# KiCad board mechanical-keyboard.kicad_pcb (continued)
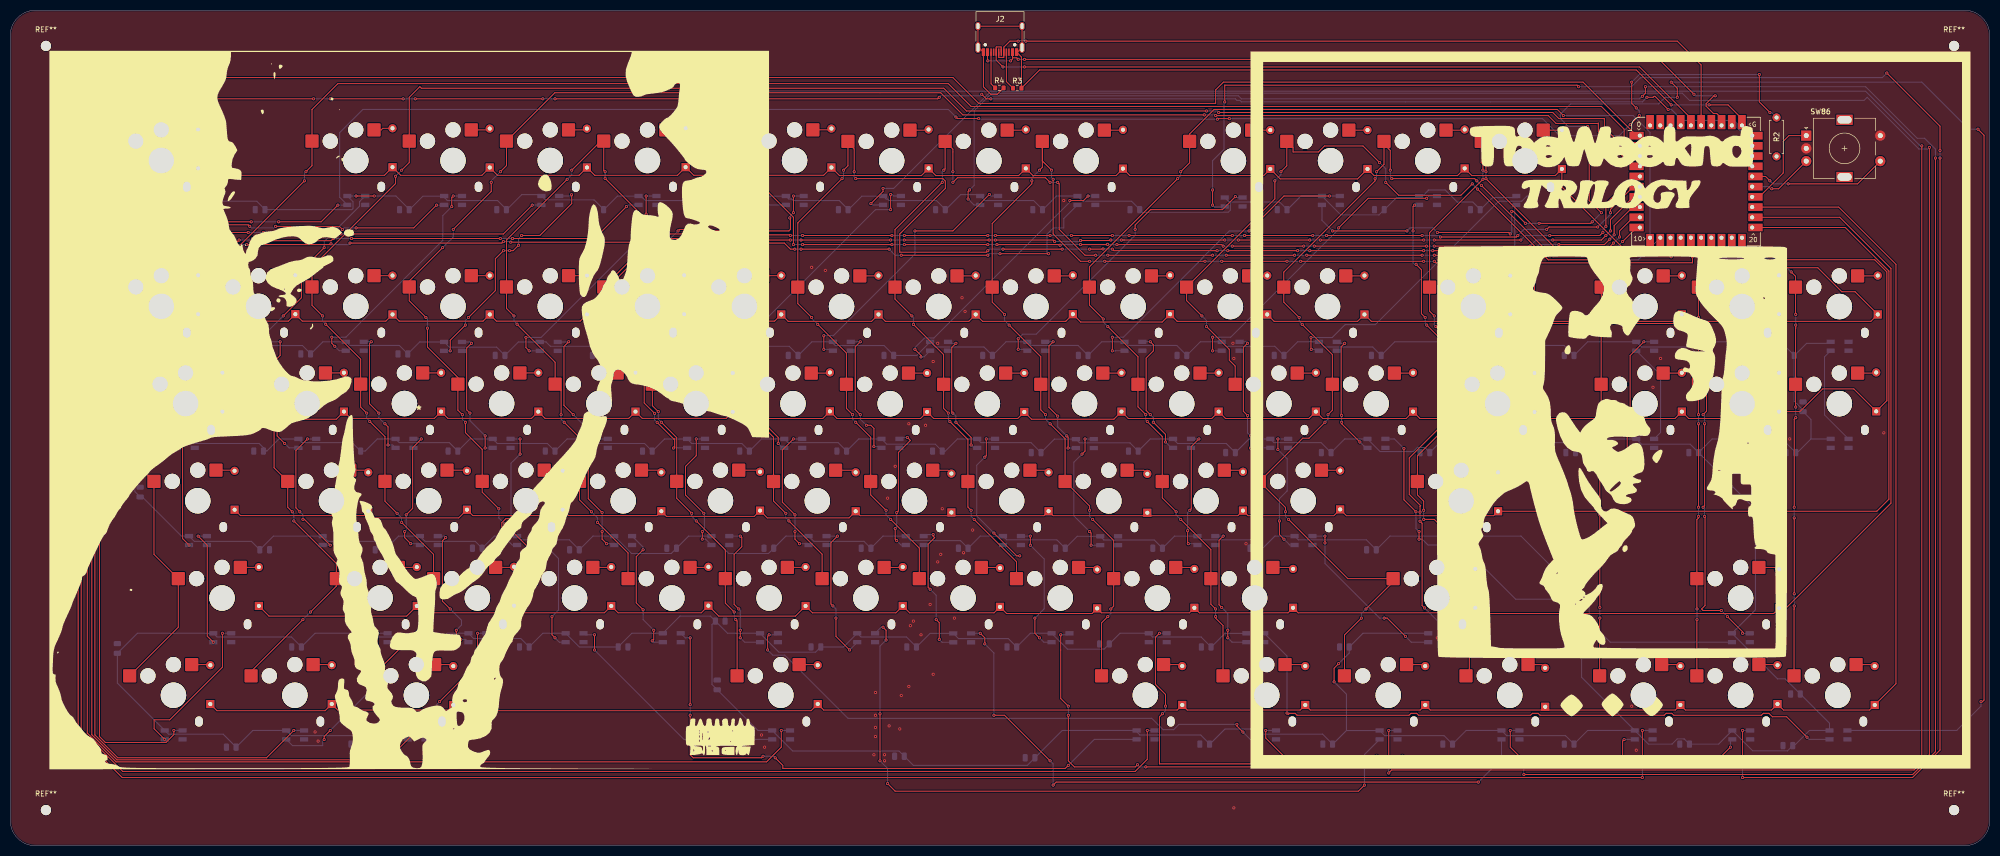
[diagram p0: board, top side]
## Routing (per net, layer and track width the routed paths; a pad name or vN(x,y) marks a point on that pad's centre or on a via; arc(x,y) is an arc through that point) (continued)
Col 6: length 294.1
  Top w0.2: v1(214.97,117.84) 214.93,117.8 v1(209.66,117.8) ; v1(277.45,117.5) v1(255.48,117.5) ; SW39.1 159.05,57.14 v1(152.54,63.65) ; v1(151.95,65.14) 149.53,67.56 SW38.1 149.53,80.05 v1(146.59,82.99) ; v1(146,130.59) 153.44,123.16 v1(153.44,117.8) ; v1(146,132.08) 146,132.38 145.08,133.29 SW35.1 140.05,133.05 v1(140.05,131.98) ; v1(138.56,102.2) 144.77,95.99 SW37.1 144.77,85.7 v1(146,84.48) ; v1(302.19,118.69) 311.7,118.69 v1(312.6,119.59) ; v1(297.72,117.5) v1(278.98,117.5) ; v1(140.05,130) 135.25,125.2 SW36.1 135.25,106.23 v1(137.97,103.52) ; U2.7 317.95,127.15 313.49,122.69 v1(313.49,120.48) ; v1(253.4,117.5) v1(239.41,117.5) ; v1(193.3,117.8) 205.54,117.8 v1(205.67,117.67) ; v1(172.73,117.8) v1(155.22,117.8) ; v1(191.52,117.8) v1(175.15,117.8) ; v1(237.63,117.5) 237.33,117.8 v1(216.8,117.8)
  Bottom w0.2: v1(137.97,103.52) 137.97,102.8 v1(138.56,102.2) ; v1(255.48,117.5) v1(253.4,117.5) ; v1(216.8,117.8) 215.02,117.8 v1(214.97,117.84) ; v1(146.59,82.99) 146,83.59 v1(146,84.48) ; v1(152.54,63.65) 151.95,64.25 v1(151.95,65.14) ; v1(205.67,117.67) 205.8,117.8 v1(209.66,117.8) ; v1(146,130.59) v1(146,132.08) ; v1(302.19,118.69) 298.91,118.69 v1(297.72,117.5) ; v1(313.49,120.48) v1(312.6,119.59) ; v1(239.41,117.5) v1(237.63,117.5) ; v1(155.22,117.8) v1(153.44,117.8) ; v1(175.15,117.8) v1(172.73,117.8) ; v1(278.98,117.5) v1(277.45,117.5) ; v1(193.3,117.8) v1(191.52,117.8) ; v1(140.05,131.98) v1(140.05,130)
Col 7: length 292.9
  Top w0.2: v1(162.96,130.72) 154.29,122.06 SW41.1 154.29,106.24 v1(157,103.52) ; v1(314.21,119.71) 314.21,121.51 317.85,125.15 U2.8 ; v1(191.52,116.61) 191.22,116.31 174.26,116.31 174.26,119.88 183.19,128.81 183.19,130.25 182.71,130.72 v1(165.63,130.72) ; v1(165.04,84.48) 163.81,85.7 SW42.1 163.81,96.54 v1(158.19,102.16) ; v1(194.49,116.91) v1(206.09,116.91) ; v1(215.91,116.91) 216.21,116.61 v1(236.44,116.61) ; v1(214.08,116.95) 214.04,116.91 v1(211.45,116.91) ; v1(278.68,116.61) v1(298.32,116.61) ; v1(313.36,118.86) 312.3,117.8 v1(303.38,117.8) ; SW44.1 178.09,58.33 v1(172.47,63.95) ; v1(165.34,132.08) 165.34,136.54 164.11,137.77 SW40.1 164.11,133.24 v1(163.25,132.38) ; v1(165.63,82.99) 168.57,80.06 SW43.1 168.57,68.75 v1(171.58,65.74) ; v1(238.52,116.61) v1(252.21,116.61) ; v1(254.59,116.61) v1(276.9,116.61)
  Bottom w0.2: v1(171.58,65.74) 171.58,64.84 v1(172.47,63.95) ; v1(303.38,117.8) 299.51,117.8 v1(298.32,116.61) ; v1(158.19,102.16) 157,103.35 v1(157,103.52) ; v1(165.63,130.72) 165.34,131.02 v1(165.34,132.08) ; v1(276.9,116.61) v1(278.68,116.61) ; v1(162.96,130.72) 163.25,131.02 v1(163.25,132.38) ; v1(214.08,116.95) 215.87,116.95 v1(215.91,116.91) ; v1(252.21,116.61) v1(254.59,116.61) ; v1(236.44,116.61) v1(238.52,116.61) ; v1(313.36,118.86) v1(314.21,119.71) ; v1(194.49,116.91) 191.81,116.91 v1(191.52,116.61) ; v1(206.09,116.91) v1(211.45,116.91) ; v1(165.63,82.99) 165.04,83.59 v1(165.04,84.48)
Col 8: length 258.5
  Top w0.2: U2.9 317.95,123.15 315.27,120.48 v1(315.27,119.29) ; v1(176.94,102.16) 182.85,96.25 SW47.1 182.85,85.71 v1(183.78,84.78) ; v1(253.99,115.72) v1(276.6,115.72) ; v1(215.02,115.72) v1(235.54,115.72) ; v1(184.67,132.08) 184.67,136.5 SW45.1 183.15,132.64 v1(182.89,132.38) ; v1(304.27,116.91) 312.89,116.91 v1(314.08,118.1) ; v1(176.64,103.82) 173.33,107.13 SW46.1 173.33,120.74 v1(182.59,130) ; v1(203.71,130) 202.81,130.9 185.57,130.9 v1(184.67,130) ; v1(212.64,115.72) 210.56,115.72 205.5,120.78 205.5,129.7 v1(205.2,130) ; v1(238.22,115.72) v1(251.61,115.72) ; v1(188.24,65.74) 187.61,66.37 SW48.1 187.61,79.59 v1(184.08,83.12) ; SW49.1 197.13,55.66 v1(188.84,63.95) ; v1(278.98,115.72) v1(299.21,115.72)
  Bottom w0.2: v1(251.61,115.72) v1(253.99,115.72) ; v1(184.67,132.08) v1(184.67,130) ; v1(304.27,116.91) 300.4,116.91 v1(299.21,115.72) ; v1(176.94,102.16) 176.94,103.52 v1(176.64,103.82) ; v1(212.64,115.72) v1(215.02,115.72) ; v1(188.24,65.74) 188.24,64.55 v1(188.84,63.95) ; v1(182.59,130) 182.59,132.08 v1(182.89,132.38) ; v1(203.71,130) 203.71,129.99 205.19,129.99 v1(205.2,130) ; v1(276.6,115.72) v1(278.98,115.72) ; v1(314.08,118.1) v1(315.27,119.29) ; v1(235.54,115.72) v1(238.22,115.72) ; v1(184.08,83.12) 183.78,83.42 v1(183.78,84.78)
Col 9: length 258.7
  Top w0.2: v1(211.45,65.74) 211.45,66.59 SW53.1 206.65,79.76 v1(203.71,82.7) ; v1(215.02,44.91) 213.79,43.69 SW55.1 ; v1(212.04,63.95) 216.17,59.83 SW54.1 216.17,46.96 v1(215.61,46.4) ; v1(214.42,114.53) v1(234.06,114.53) ; v1(194.79,104.12) 192.37,106.53 SW51.1 192.37,121.93 200.14,129.7 v1(200.14,130.3) ; v1(237.33,114.53) v1(250.12,114.53) ; v1(204.01,132.38) 202.19,134.2 SW50.1 202.19,132.94 v1(201.63,132.38) ; v1(252.8,114.53) v1(276.9,114.53) ; U2.10 318.6,121.13 v1(315.87,118.4) ; v1(204.31,130.59) 204.31,119.88 209.66,114.53 v1(211.45,114.53) ; v1(278.98,114.53) 279.3,114.21 v1(312.6,114.21) ; v1(195.68,102.03) 201.89,95.82 SW52.1 201.89,85.41 v1(202.82,84.48)
  Bottom w0.2: v1(203.71,82.7) 202.82,83.59 v1(202.82,84.48) ; v1(211.45,65.74) 211.45,64.55 v1(212.04,63.95) ; v1(195.68,102.03) 194.79,102.93 v1(194.79,104.12) ; v1(215.61,46.4) 215.61,45.51 v1(215.02,44.91) ; v1(211.45,114.53) v1(214.42,114.53) ; v1(234.06,114.53) v1(237.33,114.53) ; v1(276.9,114.53) v1(278.98,114.53) ; v1(204.31,130.59) 204.01,130.89 v1(204.01,132.38) ; v1(250.12,114.53) v1(252.8,114.53) ; v1(201.63,132.38) 200.14,130.89 v1(200.14,130.3) ; v1(315.87,118.4) 312.6,115.12 v1(312.6,114.21)
Col 10: length 239.8
  Top w0.2: SW61.1 237.59,43.17 236.14,44.62 v1(236.14,44.91) ; v1(236.14,46.4) 235.21,47.33 SW60.1 235.21,58.04 v1(229.3,63.95) ; v1(228.7,130.72) 211.41,113.43 SW57.1 211.41,105.94 v1(214.12,103.23) ; v1(229.3,132.08) 231.05,133.83 SW56.1 231.05,139.48 235.84,144.28 303.08,144.28 v1(304.27,143.09) ; v1(228.41,65.44) 225.69,68.16 SW59.1 225.69,80.19 v1(222.75,83.12) ; v1(222.46,84.48) 220.93,86.01 SW58.1 220.93,95.82 v1(215.02,101.74)
  Bottom w0.2: v1(236.14,46.4) v1(236.14,44.91) ; v1(215.02,101.74) 214.12,102.63 v1(214.12,103.23) ; v1(222.75,83.12) 222.46,83.42 v1(222.46,84.48) ; v1(304.27,143.09) 317.93,143.09 321.25,139.77 U2.11 ; v1(228.41,65.44) 228.41,64.84 v1(229.3,63.95) ; v1(228.7,130.72) 229.3,131.32 v1(229.3,132.08)
Col 11: length 149.1
  Top w0.2: v1(269.46,130) 271.98,127.47 284.19,127.47 v1(286.42,129.7) ; SW64.1 239.97,94 238.82,95.15 238.82,97.27 v1(234.35,101.74) ; v1(248.93,132.08) 250.08,133.23 SW62.1 251.31,136.8 251.31,135.95 256.28,135.95 257.46,137.12 265.01,137.12 v1(268.27,133.87) ; v1(247.74,130.3) 247.74,126.75 SW63.1 230.45,106.83 v1(233.46,103.82) ; v1(316.17,114.81) 301.31,114.81 v1(287.44,128.68)
  Bottom w0.2: v1(234.35,101.74) 234.35,102.93 v1(233.46,103.82) ; U2.12 318.91,114.81 v1(316.17,114.81) ; v1(286.42,129.7) v1(287.44,128.68) ; v1(248.93,132.08) 248.93,131.49 v1(247.74,130.3) ; v1(269.46,130) 269.46,132.68 v1(268.27,133.87)
Col 12: length 216.2
  Top w0.2: v1(270.65,130.72) 286.88,130.72 v1(287.31,130.3) ; v1(265.59,46.4) 270.91,51.72 SW69.1 262.03,52.34 v1(250.42,63.95) ; v1(288.2,129.4) 302.19,115.41 v1(325.39,115.41) ; v1(252.5,103.52) 249.49,106.53 SW66.1 249.49,112.41 267.38,130.3 v1(267.38,130.72) ; v1(264.7,44.62) 261.39,41.3 SW70.1 ; v1(253.1,102.16) 259.01,96.25 SW67.1 259.01,85.33 v1(258.15,84.48) ; v1(267.67,132.08) 269.13,133.53 SW65.1 269.13,137.47 270.35,136.25 v1(270.35,132.38) ; v1(249.83,65.44) 249.83,66.29 SW68.1 253.22,79.87 254.44,79.87 v1(257.56,82.99)
  Bottom w0.2: v1(253.1,102.16) 252.5,102.76 v1(252.5,103.52) ; v1(258.15,84.48) 258.15,83.59 v1(257.56,82.99) ; v1(325.39,115.41) 325.25,115.55 U2.13 ; v1(264.7,44.62) 264.7,45.51 v1(265.59,46.4) ; v1(270.35,132.38) 270.35,131.02 v1(270.65,130.72) ; v1(267.67,132.08) 267.67,131.02 v1(267.38,130.72) ; v1(287.31,130.3) v1(288.2,129.4) ; v1(249.83,65.44) 249.83,64.55 v1(250.42,63.95)
Col 13: length 177.4
  Top w0.2: v1(288.5,130.59) 278.05,120.15 SW72.1 278.05,104.74 v1(278.98,103.82) ; v1(326.58,116.01) 303.81,116.01 v1(289.09,130.72) ; v1(276.9,65.74) 276.9,67.52 275.67,68.75 SW74.1 275.67,76.41 v1(281.95,82.7) ; v1(288.5,132.38) 288.5,133.57 288.17,133.9 SW71.1 288.17,137.17 289.09,136.25 v1(289.09,132.08) ; v1(282.55,84.78) 282.81,85.04 SW73.1 282.81,98.2 v1(279.28,101.74) ; v1(285.19,45.03) 285.84,44.38 285.84,33.95 SW75.1 ; v1(276.9,63.95) 278.98,63.95 288.5,54.43 288.5,53.54 284.93,49.97 v1(284.93,46.24)
  Bottom w0.2: v1(285.19,45.03) 285.19,45.98 v1(284.93,46.24) ; v1(326.58,116.01) 326.58,116.31 327.25,116.98 U2.14 ; v1(288.5,130.59) v1(288.5,132.38) ; v1(282.55,84.78) 282.55,83.29 v1(281.95,82.7) ; v1(276.9,63.95) v1(276.9,65.74) ; v1(289.09,132.08) v1(289.09,130.72) ; v1(278.98,103.82) 278.98,102.03 v1(279.28,101.74)
Col 14: length 101.2
  Top w0.2: v1(311.7,103.82) 311.7,109.43 SW76.1 316.44,114.23 329.55,114.23 v1(329.55,115.42) ; SW78.1 311.37,44.58 v1(311.41,44.62) ; v1(311.41,66.33) v1(311.41,82.4) ; v1(311.7,101.74) 311.67,101.7 SW77.1 311.67,85.33 311.41,85.08 v1(311.41,84.48) ; v1(311.41,46.7) v1(311.41,64.84)
  Bottom w0.2: v1(311.41,44.62) v1(311.41,46.7) ; v1(311.41,64.84) v1(311.41,66.33) ; U2.15 329.25,115.73 v1(329.55,115.42) ; v1(311.7,101.74) v1(311.7,103.82) ; v1(311.41,82.4) v1(311.41,84.48)
Col 15: length 86.9
  Top w0.2: v1(330.45,46.4) 330.41,46.43 SW81.1 330.41,63.92 330.75,64.25 v1(330.75,64.55) ; SW82.1 330.41,44.28 v1(330.45,44.32) ; v1(330.75,103.52) 330.71,103.55 SW79.1 330.71,114.79 v1(331.04,115.12) ; v1(330.75,82.7) v1(330.75,66.33) ; v1(330.75,102.03) 330.75,101.44 330.71,101.4 SW80.1 330.71,84.51 v1(330.75,84.48)
  Bottom w0.2: v1(330.75,84.48) v1(330.75,82.7) ; v1(331.04,115.12) 331.25,115.33 U2.16 ; v1(330.75,103.52) v1(330.75,102.03) ; v1(330.75,64.55) 330.75,66.63 v1(330.75,66.33) ; v1(330.45,46.4) v1(330.45,44.32)
Col 16: length 100
  Top w0.2: v1(349.78,102.03) 349.78,101.44 349.75,101.4 SW84.1 349.75,86 v1(349.78,85.97) ; SW85.1 349.45,46.37 349.49,46.4 v1(349.49,47) ; v1(349.49,64.25) v1(349.49,49.38) ; v1(349.78,104.12) 349.75,104.15 SW83.1 349.75,111.59 v1(348.89,112.45) ; v1(349.49,66.33) 349.49,83.59 v1(349.78,83.89)
  Bottom w0.2: v1(349.78,104.12) v1(349.78,102.03) ; v1(349.78,85.97) v1(349.78,83.89) ; U2.17 333.25,115.89 334.02,115.12 346.21,115.12 v1(348.89,112.45) ; v1(349.49,49.38) v1(349.49,47) ; v1(349.49,66.33) v1(349.49,64.25)
ROT A: length 18.5
  Top w0.2: U2.24 342.65,127.15 347.34,131.83 347.34,138.03 348.46,139.15 SW86.A
ROT B: length 13
  Top w0.2: SW86.B 346.43,128.74 v1(345.09,128.74)
  Bottom w0.2: v1(345.09,128.74) 344.8,128.74 344.39,129.15 U2.25
Row 0: length 324.2
  Top w0.2: U2.18 335.25,117.25 334.61,116.61 316.46,116.61 303.97,129.11 D71.1 302.67,131.32 286.33,131.32 D65.1 283.53,131.32 267.19,131.32 D62.1 263.95,130.67 248.79,130.67 D56.1 245.55,131.32 219.34,131.32 D50.1 216.64,131.32 200.36,131.32 D45.1 197.55,131.32 181.32,131.32 D40.1 178.5,131.32 162.46,131.32 D35.1 159.35,131.38 133.9,131.38 D25.1 130.72,131.38 114.51,131.38 D20.1 111.44,131.38 95.47,131.38 D14.1 92.4,131.38 76.49,131.38 D8.1 73.3,131.38 38.17,131.38 D2.1
Row 1: length 383.4
  Top w0.2: D3.1 38.18,102.8 54.49,102.8 D9.1 57.22,102.8 73.58,102.8 D15.1 76.21,102.8 92.62,102.8 D21.1 95.25,102.8 111.66,102.8 D26.1 114.29,102.8 130.65,102.8 D30.1 133.38,102.8 149.74,102.8 D36.1 152.41,102.76 168.74,102.76 D41.1 171.45,102.76 187.78,102.76 D46.1 190.49,102.76 206.77,102.76 D51.1 209.71,102.63 225.68,102.63 D57.1 228.62,102.76 244.01,102.76 245.96,104.71 246.26,104.41 D63.1 247.61,102.76 263.94,102.76 D66.1 266.65,102.76 292.5,102.76 D72.1 295.21,102.76 326.12,102.76 D76.1 328.82,102.76 345.11,102.76 D79.1 347.92,102.76 364.5,102.76 D83.1 361.4,108.56 358.8,108.56 354.1,113.26 341.73,113.26 337.25,117.75 U2.19 U2.19
Row 2: length 404.7
  Top w0.2: D4.1 43.06,83.59 63.89,83.59 D10.1 66.7,83.75 83.09,83.75 D16.1 85.74,83.75 102.13,83.75 D22.1 104.78,83.75 121.17,83.75 D27.1 123.82,83.75 140.27,83.75 D31.1 142.83,83.72 159.17,83.72 D37.1 161.98,83.72 178.33,83.72 D42.1 180.9,83.72 197.37,83.72 D47.1 200.08,83.59 216.21,83.59 D52.1 219.05,83.72 235.38,83.72 D58.1 238.09,83.72 254.42,83.72 D64.1 257.13,83.72 273.46,83.72 D67.1 276.17,83.72 297.32,83.72 D73.1 299.91,83.72 326.13,83.72 D77.1 328.82,83.72 345.17,83.72 D80.1 350.59,85.07 355.05,89.52 361.15,89.52 D84.1 367.63,87.21 367.63,112.45 365.25,114.83 342.05,114.83 339.25,117.63 U2.20 U2.20
Row 3: length 409.5
  Top w0.2: U2.21 359.5,121.15 368.04,112.61 368.04,67.92 365.67,65.56 D74.1 290.6,64.68 261.76,64.68 D68.1 259.31,64.68 242.48,64.68 D59.1 240.51,64.68 223.33,64.68 D53.1 222.18,64.68 204.29,64.68 D48.1 202.54,64.68 185.01,64.68 D43.1 183.74,64.68 166.5,64.68 D38.1 164.33,64.25 148.31,64.25 D32.1 145.77,64.55 128.56,64.55 D28.1 126.7,64.7 109.37,64.7 D23.1 107.06,64.7 90.62,64.7 D17.1 87.87,64.25 71.44,64.25 D11.1 69.28,64.7 45.11,64.7 D5.1
Row 4: length 418.7
  Top w0.2: U2.22 358.42,123.15 368.44,113.13 368.44,67.13 347.88,46.57 D81.1 345.45,45.51 288.13,45.51 D69.1 286.02,45.64 252.3,45.64 D60.1 250.33,45.64 232.96,45.64 D54.1 230.99,45.64 213.81,45.64 D49.1 211.93,45.51 195.2,45.51 D44.1 192.72,45.64 176.21,45.64 D39.1 173.5,45.64 157.17,45.64 D33.1 153.82,45 138.82,45 D29.1 135.38,45.65 119.08,45.65 D24.1 116.39,45.65 100.09,45.65 D18.1 97.3,45.65 81,45.65 D12.1 77.66,45 50.71,45 D6.1
Row 5: length 455.6
  Top w0.2: D7.1 40.5,26.47 61.69,26.47 D13.1 64.16,26.6 85.81,26.6 D19.1 87.92,26.47 156.89,26.47 D34.1 159.37,26.6 228.61,26.6 D55.1 230.58,26.6 252.71,26.6 D61.1 254.68,26.6 276.21,26.6 D70.1 278.18,26.6 300.06,26.6 D75.1 301.33,26.6 326.19,26.6 D78.1 328.16,26.6 345.04,26.6 D82.1 347.38,26.6 364.27,26.6 D85.1 369.42,31.76 369.42,113.93 358.2,125.15 U2.23
SW A: length 27.5
  Top w0.2: v1(344.73,130.3) 343.87,131.15 U2.26 ; SW86.S1 361.89,129.7 v1(348.3,129.7)
  Bottom w0.2: v1(344.73,130.3) 345.32,129.7 v1(348.3,129.7)
Net-(D2-A): length 3.7
  Top w0.2: D2.2 36.74,140.28 SW2.2
Net-(D3-A): length 3.7
  Top w0.2: D3.2 36.73,111.7 SW3.2
Net-(D4-A): length 3.7
  Top w0.2: 41.57,92.7 41.53,92.65 SW4.2
Net-(D5-A): length 3.7
  Top w0.2: SW5.2 43.83,73.6 D5.2
Net-(D6-A): length 3.7
  Top w0.2: D6.2 48.65,54.55 SW6.2
Net-(D7-A): length 3.7
  Top w0.2: D7.2 39.09,35.5 SW7.2
Net-(D8-A): length 4.2
  Top w0.2: SW8.2 72.68,140.28 72.99,140.59 D8.2 74.59,140.28
Net-(D9-A): length 3.7
  Top w0.2: SW9.2 55.77,111.7 D9.2
Net-(D10-A): length 3.6
  Top w0.2: 65.38,92.7 65.33,92.65 SW10.2
Net-(D11-A): length 3.8
  Top w0.2: D11.2 69.71,73.6 SW11.2
Net-(D12-A): length 3.6
  Top w0.2: SW12.2 79.59,54.55 D12.2
Net-(D13-A): length 3.7
  Top w0.2: D13.2 62.89,35.5 SW13.2
Net-(D14-A): length 3.7
  Top w0.2: SW14.2 93.68,140.28 D14.2
Net-(D15-A): length 3.6
  Top w0.2: D15.2 74.86,111.7 SW15.2
Net-(D16-A): length 3.6
  Top w0.2: SW16.2 84.37,92.65 84.41,92.7
Net-(D17-A): length 4
  Top w0.2: SW17.2 89.34,73.6 D17.2
Net-(D18-A): length 3.7
  Top w0.2: D18.2 98.58,54.55 SW18.2
Net-(D19-A): length 3.8
  Top w0.2: D19.2 86.5,35.5 SW19.2
Net-(D20-A): length 3.7
  Top w0.2: D20.2 112.72,140.28 SW20.2
Net-(D21-A): length 3.6
  Top w0.2: D21.2 93.9,111.7 SW21.2
Net-(D22-A): length 3.6
  Top w0.2: SW22.2 103.41,92.65 103.46,92.7
Net-(D23-A): length 3.7
  Top w0.2: SW23.2 108.09,73.6 D23.2
Net-(D24-A): length 3.6
  Top w0.2: D24.2 117.67,54.55 SW24.2
Net-(D25-A): length 4
  Top w0.2: D25.2 132,140.28 SW25.2
Net-(D26-A): length 3.6
  Top w0.2: D26.2 112.94,111.7 SW26.2
Net-(D27-A): length 3.6
  Top w0.2: 122.5,92.7 122.45,92.65 SW27.2
Net-(D28-A): length 4.1
  Top w0.2: SW28.2 127.13,73.6 D28.2
Net-(D29-A): length 3.6
  Top w0.2: SW29.2 136.66,54.55 D29.2
Net-(D30-A): length 3.6
  Top w0.2: SW30.2 131.93,111.7 D30.2
Net-(D31-A): length 3.6
  Top w0.2: SW31.2 141.52,92.65 D31.2
Net-(D32-A): length 4.3
  Top w0.2: SW32.2 146.58,73.6 D32.2
Net-(D33-A): length 3.6
  Top w0.2: SW33.2 155.75,54.55 D33.2
Net-(D34-A): length 3.7
  Top w0.2: SW34.2 158.08,35.5 D34.2
Net-(D35-A): length 3.7
  Top w0.2: SW35.2 160.63,140.28 D35.2
Net-(D36-A): length 3.7
  Top w0.2: SW36.2 151.02,111.7 D36.2
Net-(D37-A): length 3.7
  Top w0.2: D37.2 160.45,92.62 SW37.2
Net-(D38-A): length 4.1
  Top w0.2: D38.2 165.22,73.58 SW38.2
Net-(D39-A): length 3.7
  Top w0.2: SW39.2 174.78,54.54 D39.2
Net-(D40-A): length 3.7
  Top w0.2: D40.2 179.78,140.22 SW40.2
Net-(D41-A): length 3.7
  Top w0.2: SW41.2 170.02,111.66 D41.2
Net-(D42-A): length 3.7
  Top w0.2: D42.2 179.61,92.62 SW42.2
Net-(D43-A): length 3.9
  Top w0.2: SW43.2 183.73,73.58 D43.2
Net-(D44-A): length 3.7
  Top w0.2: SW44.2 193.78,54.54 D44.2
Net-(D45-A): length 3.7
  Top w0.2: SW45.2 198.83,140.22 D45.2
Net-(D46-A): length 3.7
  Top w0.2: D46.2 189.06,111.66 SW46.2
Net-(D47-A): length 3.7
  Top w0.2: D47.2 198.65,92.62 SW47.2
Net-(D48-A): length 3.8
  Top w0.2: SW48.2 203.01,73.58 D48.2
Net-(D49-A): length 3.8
  Top w0.2: D49.2 212.53,54.54 SW49.2
Net-(D50-A): length 3.7
  Top w0.2: D50.2 217.92,140.22 SW50.2
Net-(D51-A): length 3.7
  Top w0.2: D51.2 208.05,111.66 SW51.2
Net-(D52-A): length 3.7
  Top w0.2: SW52.2 217.62,92.62 217.69,92.7
Net-(D53-A): length 4.2
  Top w0.2: SW53.2 222.05,73.58 D53.2
Net-(D54-A): length 3.8
  Top w0.2: SW54.2 231.68,54.54 D54.2
Net-(D55-A): length 3.8
  Top w0.2: SW55.2 229.3,35.5 D55.2
Net-(D56-A): length 3.7
  Top w0.2: SW56.2 246.84,140.22 D56.2
Net-(D57-A): length 3.7
  Top w0.2: D57.2 227.09,111.66 SW57.2
Net-(D58-A): length 3.7
  Top w0.2: 236.73,92.7 236.66,92.62 SW58.2
Net-(D59-A): length 3.8
  Top w0.2: D59.2 241.2,73.58 SW59.2
Net-(D60-A): length 4.1
  Top w0.2: SW60.2 251.02,54.54 D60.2
Net-(D61-A): length 4.1
  Top w0.2: D61.2 253.4,35.5 SW61.2
Net-(D62-A): length 3.7
  Top w0.2: SW62.2 265.88,140.22 D62.2
Net-(D63-A): length 3.7
  Top w0.2: D63.2 246.18,111.66 SW63.2
Net-(D64-A): length 3.7
  Top w0.2: SW64.2 255.7,92.62 255.78,92.7
Net-(D65-A): length 3.7
  Top w0.2: SW65.2 284.81,140.22 D65.2
Net-(D66-A): length 3.7
  Top w0.2: D66.2 265.22,111.66 SW66.2
Net-(D67-A): length 3.7
  Top w0.2: 274.81,92.7 274.74,92.62 SW67.2
Net-(D68-A): length 3.7
  Top w0.2: D68.2 260.48,73.58 SW68.2
Net-(D69-A): length 4.1
  Top w0.2: SW69.2 286.72,54.54 D69.2
Net-(D70-A): length 3.8
  Top w0.2: D70.2 276.9,35.5 SW70.2
Net-(D71-A): length 3.7
  Top w0.2: SW71.2 303.96,140.22 D71.2
Net-(D72-A): length 3.7
  Top w0.2: SW72.2 293.78,111.66 D72.2
Net-(D73-A): length 3.7
  Top w0.2: D73.2 298.6,92.62 SW73.2
Net-(D74-A): length 3.8
  Top w0.2: SW74.2 291.07,73.58 D74.2
Net-(D75-A): length 3.6
  Top w0.2: D75.2 300.05,35.5 SW75.2
Net-(D76-A): length 3.7
  Top w0.2: D76.2 327.4,111.66 SW76.2
Net-(D77-A): length 3.7
  Top w0.2: D77.2 327.41,92.62 SW77.2
Net-(D78-A): length 3.8
  Top w0.2: SW78.2 326.88,35.5 D78.2
Net-(D79-A): length 3.7
  Top w0.2: SW79.2 346.39,111.66 D79.2
Net-(D80-A): length 3.7
  Top w0.2: SW80.2 346.45,92.62 D80.2
Net-(D81-A): length 4.1
  Top w0.2: D81.2 346.16,54.54 SW81.2
Net-(D82-A): length 3.7
  Top w0.2: D82.2 346.1,35.5 SW82.2
Net-(D83-A): length 4
  Top w0.2: D83.2 365.78,111.66 SW83.2
Net-(D84-A): length 3.7
  Top w0.2: SW84.2 365.43,92.62 D84.2
Net-(D85-A): length 3.8
  Top w0.2: SW85.2 364.96,35.5 D85.2
Net-(J2-CC1): length 7.6
  Top w0.2: R3.1 195.15,149.75 J2.A5
Net-(J2-CC2): length 7.3
  Top w0.2: J2.B5 192.15,149.3 R4.1
Net-(LED1-DIN): length 156.8
  Top w0.2: v1(18.96,125.54) 17.48,124.05 17.48,21.41 18.64,20.25 30.52,20.25 32.05,21.79 v1(32.05,22.6)
  Bottom w0.2: LED74.1 v1(32.05,22.6) ; v1(18.96,125.54) 18.98,125.55 LED1.3 ; 27.96,125.57 15.99,137.54 R1.1
Net-(LED1-DOUT): length 33.8
  Top w0.2: v1(27.89,97.01) 26.69,98.21 26.69,124.34 v1(29.67,127.32)
  Bottom w0.2: LED1.1 29.69,127.3 v1(29.67,127.32)
Net-(LED2-DIN): length 515.4
  Top w0.2: v1(52.58,122.26) 60.91,122.26 v1(64.19,125.54) ; v1(55.56,22.6) 50.2,17.25 21.08,17.25 16.59,21.74 v1(16.59,122.86) ; v1(344.73,143.68) 342.64,145.77 v1(342.64,151.12) ; v1(318.55,144.58) 317.65,145.47 v1(317.65,149.63) ; v1(28.19,122.56) 28.48,122.26 v1(47.23,122.26) ; v1(238.82,142.48) 236.6,142.48 v1(236.49,142.37) ; v1(189.73,142.49) 185.56,142.49 v1(185.27,142.79) ; v1(140.94,144.28) v1(142.73,144.28) ; v1(317.36,141.3) v1(319.14,143.09)
  Bottom w0.2: v1(344.73,143.68) 345.04,143.68 R2.2 ; v1(317.65,149.63) 319.14,151.12 v1(342.64,151.12) ; v1(140.94,144.28) 69.08,144.28 64.55,139.74 64.55,127.06 LED2.3 66,125.54 v1(64.19,125.54) ; v1(317.36,141.3) 315.19,139.14 303.51,139.14 300.17,142.48 v1(238.82,142.48) ; v1(318.55,144.58) 319.14,143.98 v1(319.14,143.09) ; v1(189.73,142.49) 189.85,142.37 v1(236.49,142.37) ; v1(47.23,122.26) v1(52.58,122.26) ; v1(185.27,142.79) 183.78,144.28 v1(142.73,144.28) ; LED75.1 v1(55.56,22.6) ; v1(16.59,122.86) 16.88,123.16 27.59,123.16 v1(28.19,122.56)
Net-(LED3-DIN): length 241.3
  Top w0.2: v1(65.08,120.78) 64.48,121.37 v1(51.99,121.37) ; v1(28.19,121.67) 46.63,121.67 v1(46.93,121.37) ; v1(15.98,121.67) 15.98,21.77 20.91,16.84 73.9,16.84 v1(79.66,22.6) ; v1(83.52,125.54) 79.06,121.07 v1(67.75,121.07)
  Bottom w0.2: LED76.1 v1(79.66,22.6) ; v1(46.93,121.37) 47.23,121.07 51.69,121.07 v1(51.99,121.37) ; v1(65.08,120.78) 65.38,121.07 v1(67.75,121.07) ; LED3.3 84.97,125.54 v1(83.52,125.54) ; v1(15.98,121.67) v1(28.19,121.67)
Net-(LED4-DIN): length 333.8
  Top w0.2: v1(67.16,119.88) 96.61,119.88 v1(102.27,125.54) ; v1(64.77,119.89) 64.48,120.18 v1(49.61,120.18) ; v1(15.1,119.88) 15.1,22.09 20.74,16.44 148.17,16.44 151.06,19.33 v1(151.06,22.6) ; v1(46.63,120.18) v1(27.59,120.18) ; v1(25.81,120.18) v1(21.94,120.18)
  Bottom w0.2: v1(49.61,120.18) v1(46.63,120.18) ; v1(64.77,119.89) 64.78,119.88 v1(67.16,119.88) ; LED4.3 102.3,125.57 v1(102.27,125.54) ; v1(21.94,120.18) 15.39,120.18 v1(15.1,119.88) ; v1(151.06,22.6) LED77.1 ; v1(27.59,120.18) v1(25.81,120.18)
Net-(LED5-DIN): length 428
  Top w0.2: v1(63.29,118.99) 62.86,118.56 47.96,118.56 v1(47.52,118.99) ; v1(27.89,118.4) 44.55,118.4 v1(44.85,118.69) ; v1(222.75,22.6) 222.75,16.95 220.37,14.57 22.05,14.57 13.91,22.71 v1(13.91,117.21) ; v1(26.09,116.88) 25.77,117.21 v1(24.02,117.21) ; v1(98.4,118.99) 114.46,118.99 v1(120.71,125.24) ; v1(66.86,118.99) v1(96.02,118.99)
  Bottom w0.2: LED78.1 v1(222.75,22.6) ; v1(63.29,118.99) v1(66.86,118.99) ; v1(27.89,118.4) 26.38,116.88 v1(26.09,116.88) ; v1(96.02,118.99) v1(98.4,118.99) ; v1(44.85,118.69) 47.23,118.69 v1(47.52,118.99) ; v1(120.71,125.24) 121.04,125.57 LED5.3 ; v1(13.91,117.21) v1(24.02,117.21)
Net-(LED6-DIN): length 521.5
  Top w0.2: v1(374.48,137.14) 374.48,16.95 372.99,15.46 251.61,15.46 245.96,21.11 v1(245.96,22.6) ; v1(143.62,127.92) 143.91,127.62 v1(143.91,126.13)
  Bottom w0.2: v1(245.96,22.6) LED79.1 ; v1(143.62,127.92) 142.13,129.4 142.13,145.77 144.22,147.85 363.46,147.85 374.18,137.14 v1(374.48,137.14) ; LED6.3 144.47,125.57 v1(143.91,126.13)
Net-(LED7-DIN): length 460.7
  Top w0.2: v1(168.61,125.83) 170.99,128.21 v1(170.99,128.81) ; v1(270.05,22.6) v1(270.05,16.06) ; v1(375.96,136.84) 375.96,17.87 372.96,14.86 270.64,14.86 v1(270.05,14.27)
  Bottom w0.2: v1(168.61,125.83) 168.87,125.57 LED7.3 ; LED80.1 v1(270.05,22.6) ; v1(170.99,128.81) 173.07,128.81 191.72,147.45 327.57,147.45 328.96,146.06 363.17,146.06 363.77,146.66 373.89,136.54 375.66,136.54 v1(375.96,136.84) ; v1(270.05,16.06) v1(270.05,14.27)
Net-(LED8-DIN): length 429.3
  Top w0.2: v1(187.94,128.51) 187.65,128.21 v1(187.65,126.73) ; v1(296.53,13.97) 372.69,13.97 377.15,18.44 v1(377.15,134.76) ; v1(296.23,16.35) 296.23,16.95 293.85,19.33 v1(293.85,22.6) ; v1(319.74,146.85) 320.33,147.45 v1(320.33,148.74)
  Bottom w0.2: LED8.3 188.8,125.57 v1(187.65,126.73) ; v1(187.94,128.51) 188.83,129.39 188.83,144 191.78,146.96 240.6,146.96 241.2,146.36 319.14,146.36 319.63,146.85 v1(319.74,146.85) ; v1(296.23,16.35) 296.53,16.06 v1(296.53,13.97) ; v1(320.33,148.74) 363.47,148.74 373.58,138.62 375.03,138.62 377.15,136.5 v1(377.15,134.76) ; v1(293.85,22.6) LED81.1
Net-(LED10-DIN): length 346.6
  Top w0.2: v1(339.37,22.6) v1(339.37,16.35) ; v1(307.24,148.74) 306.94,149.04 237.92,149.04 v1(237.92,145.75) ; v1(378.05,136.25) 378.05,141 v1(367.63,151.42) ; v1(378.05,134.76) 378.05,18.76 372.66,13.37 v1(339.37,13.37) ; v1(235.54,128.51) v1(235.54,125.54)
  Bottom w0.2: v1(367.63,151.42) 366.74,150.52 319.39,150.52 317.61,148.74 v1(307.24,148.74) ; v1(237.92,145.75) 237.77,145.6 237.77,136.48 235.54,134.25 v1(235.54,128.51) ; v1(378.05,136.25) v1(378.05,134.76) ; v1(235.54,125.54) 235.91,125.17 237.92,125.17 ; LED83.1 v1(339.37,22.6) ; v1(339.37,16.35) v1(339.37,13.37)
Net-(LED10-DOUT): length 60.7
  Top w0.2: v1(220.37,120.78) 220.37,121.62 223.39,124.64 237.46,124.64 v1(240.01,127.19) ; v1(197.47,99.36) v1(197.47,97.27)
  Bottom w0.2: LED10.1 240.18,127.02 v1(240.01,127.19) ; LED23.3 198.99,97.27 v1(197.47,97.27) ; v1(220.37,120.78) 220.37,119.63 200.99,100.25 198.36,100.25 197.47,99.36 v1(197.47,99.36)
Net-(LED11-DIN): length 324.1
  Top w0.2: v1(325.39,149.63) 326.58,148.44 v1(326.58,146.66) ; v1(311.7,124.05) 309.32,126.43 309.32,140.64 v1(309.03,140.94) ; v1(294.14,124.31) 294.48,124.31 v1(296.83,121.97) ; v1(385.48,140.41) 386.67,139.22 386.67,28.55 386.38,28.25 v1(386.08,28.25) ; v1(259.05,120.48) v1(273.62,120.48) ; v1(299.51,121.97) 309.62,121.97 v1(309.92,122.26) ; v1(293.85,119.89) 293.56,120.19 v1(279.57,120.19)